# KiCad board open-TWIST_rev0.kicad_pcb (continued)
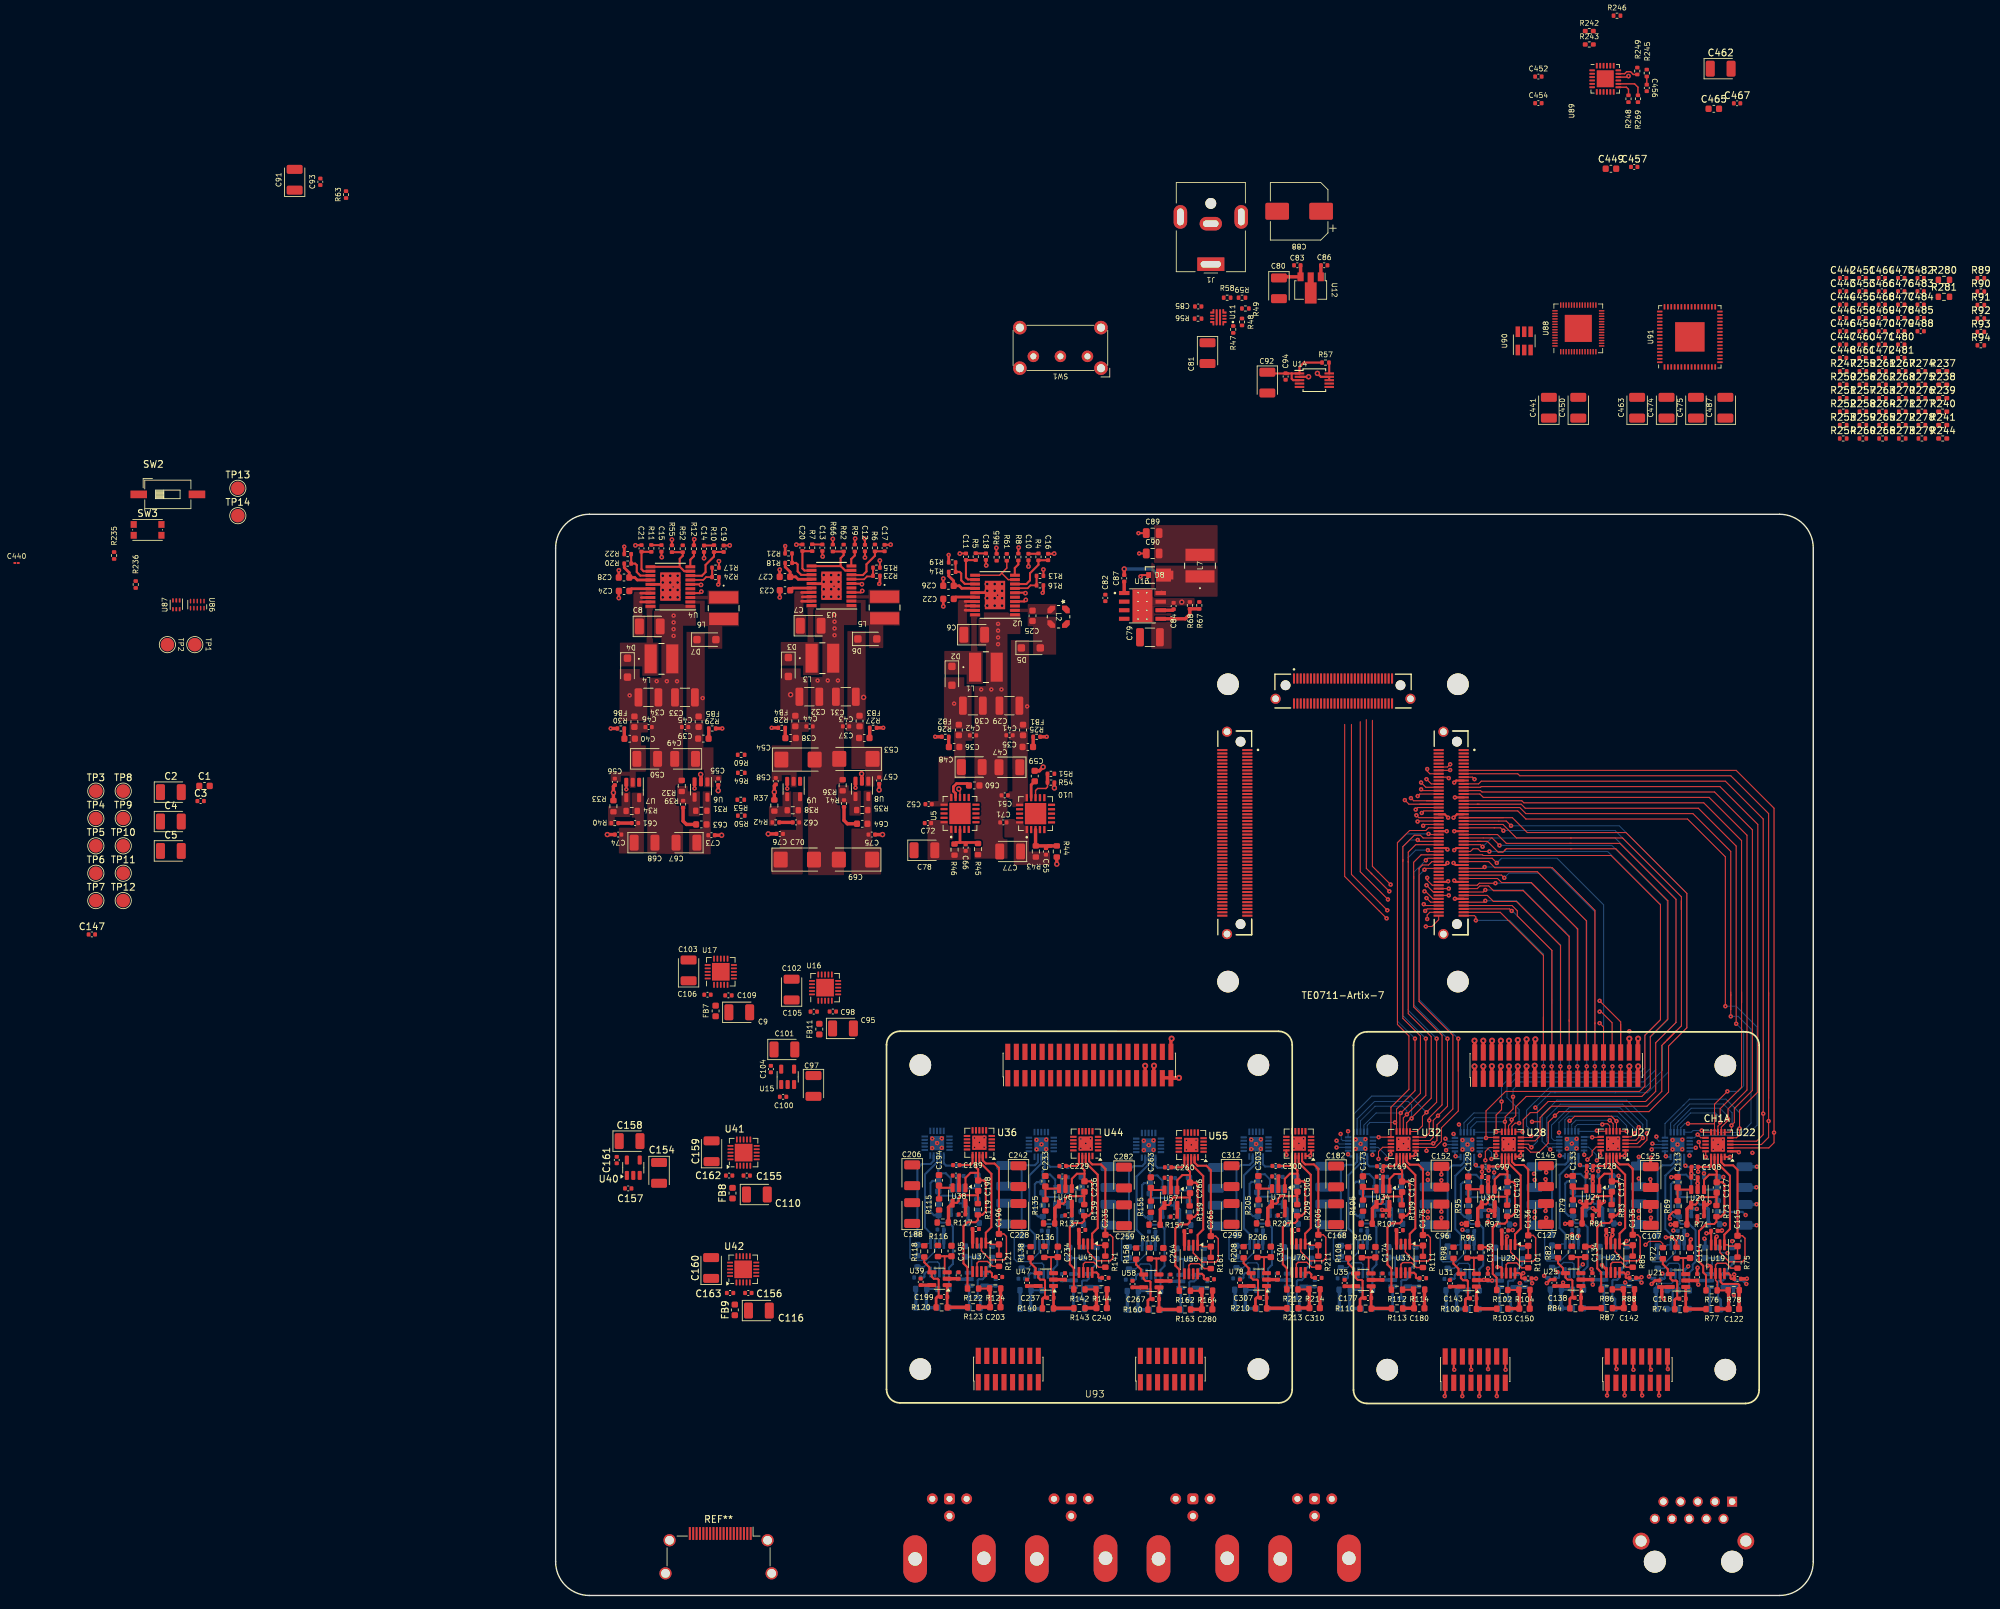
[diagram p0: board, top side]
## Nets (continued)
/DAC_STIM_A/stim_channel2/Vref_DAC_scaled: C236.2 R139.2 R142.2 U44.17 U46.1
/DAC_STIM_A/stim_channel3/Voff_DAC_scaled: C267.2 R160.2 R163.2 U58.1
/DAC_STIM_A/stim_channel3/Vref_DAC_scaled: C266.2 R159.2 R162.2 U55.17 U57.1
/DAC_STIM_A/stim_channel4/Voff_DAC_scaled: C307.2 R210.2 R213.2 U78.1
/DAC_STIM_A/stim_channel4/Vref_DAC_scaled: C306.2 R209.2 R212.2 U75.17 U77.1
/DAC_STIM_A/stim_channel5/Voff_DAC_scaled: C177.2 R110.2 R113.2 U35.1
/DAC_STIM_A/stim_channel5/Vref_DAC_scaled: C176.2 R109.2 R112.2 U32.17 U34.1
/DAC_STIM_A/stim_channel6/Voff_DAC_scaled: C143.2 R100.2 R103.2 U31.1
/DAC_STIM_A/stim_channel6/Vref_DAC_scaled: C140.2 R99.2 R102.2 U28.17 U30.1
/DAC_STIM_A/stim_channel7/Voff_DAC_scaled: C138.2 R84.2 R87.2 U25.1
/DAC_STIM_A/stim_channel7/Vref_DAC_scaled: C137.2 R83.2 R86.2 U24.1 U27.17
/DAC_STIM_A/stim_channel8/Voff_DAC_scaled: C118.2 R74.2 R77.2 U21.1
/DAC_STIM_A/stim_channel8/Vref_DAC_scaled: C117.2 R73.2 R76.2 U20.1 U22.17
/DAC_STIM_A/Voff_DAC1: R116.1 U17.20
/DAC_STIM_A/Voff_DAC2: R136.1 U17.19
/DAC_STIM_A/Voff_DAC3: R156.1 U17.18
/DAC_STIM_A/Voff_DAC4: R206.1 U17.17
/DAC_STIM_A/Voff_DAC5: R106.1 U17.9
/DAC_STIM_A/Voff_DAC6: R96.1 U17.8
/DAC_STIM_A/Voff_DAC7: R80.1 U17.7
/DAC_STIM_A/Voff_DAC8: R70.1 U17.6
/DAC_STIM_A/Vref_DAC1: R115.1 U16.20
/DAC_STIM_A/Vref_DAC2: R135.1 U16.19
/DAC_STIM_A/Vref_DAC3: R155.1 U16.18
/DAC_STIM_A/Vref_DAC4: R205.1 U16.17
/DAC_STIM_A/Vref_DAC5: R105.1 U16.9
/DAC_STIM_A/Vref_DAC6: R95.1 U16.8
/DAC_STIM_A/Vref_DAC7: R79.1 U16.7
/DAC_STIM_A/Vref_DAC8: R69.1 U16.6
/DAC_STIM_B/CS: U26.190 U43.14 U51.14 U59.14 U63.14 U67.14 U71.14 U79.14 U83.14
/DAC_STIM_B/oDAC_SDO: U42.13
/DAC_STIM_B/oDAC_SDOI: U41.13 U42.5
/DAC_STIM_B/OUT8: C276.2 R184.2 U64.7
/DAC_STIM_B/stim_channel1/Voff_DAC_scaled: C187.2 R130.2 R133.2 U50.1
/DAC_STIM_B/stim_channel1/Vref_DAC_scaled: C186.2 R129.2 R132.2 U43.17 U49.1
/DAC_STIM_B/stim_channel2/Voff_DAC_scaled: C217.2 R150.2 R153.2 U54.1
/DAC_STIM_B/stim_channel2/Vref_DAC_scaled: C216.2 R149.2 R152.2 U51.17 U53.1
/DAC_STIM_B/stim_channel3/Voff_DAC_scaled: C337.2 R220.2 R223.2 U82.1
/DAC_STIM_B/stim_channel3/Vref_DAC_scaled: C336.2 R219.2 R222.2 U79.17 U81.1
/DAC_STIM_B/stim_channel4/Voff_DAC_scaled: C322.2 R200.2 R203.2 U74.1
/DAC_STIM_B/stim_channel4/Vref_DAC_scaled: C321.2 R199.2 R202.2 U71.17 U73.1
/DAC_STIM_B/stim_channel5/Voff_DAC_scaled: C352.2 R230.2 R233.2 U92.1
/DAC_STIM_B/stim_channel5/Vref_DAC_scaled: C351.2 R229.2 R232.2 U83.17 U85.1
/DAC_STIM_B/stim_channel6/Voff_DAC_scaled: C247.2 R170.2 R173.2 U62.1
/DAC_STIM_B/stim_channel6/Vref_DAC_scaled: C246.2 R169.2 R172.2 U59.17 U61.1
/DAC_STIM_B/stim_channel7/Voff_DAC_scaled: C292.2 R190.2 R193.2 U70.1
/DAC_STIM_B/stim_channel7/Vref_DAC_scaled: C291.2 R189.2 R192.2 U67.17 U69.1
/DAC_STIM_B/stim_channel8/Voff_DAC_scaled: C273.2 R180.2 R183.2 U66.1
/DAC_STIM_B/stim_channel8/Vref_DAC_scaled: C271.2 R179.2 R182.2 U63.17 U65.1
/DAC_STIM_B/Voff_DAC1: R126.1 U42.20
/DAC_STIM_B/Voff_DAC2: R146.1 U42.19
/DAC_STIM_B/Voff_DAC3: R216.1 U42.18
/DAC_STIM_B/Voff_DAC4: R196.1 U42.17
/DAC_STIM_B/Voff_DAC5: R226.1 U42.9
/DAC_STIM_B/Voff_DAC6: R166.1 U42.8
/DAC_STIM_B/Voff_DAC7: R186.1 U42.7
/DAC_STIM_B/Voff_DAC8: R176.1 U42.6
/DAC_STIM_B/Vref_DAC1: R125.1 U41.20
/DAC_STIM_B/Vref_DAC2: R145.1 U41.19
/DAC_STIM_B/Vref_DAC3: R215.1 U41.18
/DAC_STIM_B/Vref_DAC4: R195.1 U41.17
/DAC_STIM_B/Vref_DAC5: R225.1 U41.9
/DAC_STIM_B/Vref_DAC6: R165.1 U41.8
/DAC_STIM_B/Vref_DAC7: R185.1 U41.7
/DAC_STIM_B/Vref_DAC8: R175.1 U41.6
/DB1_A0: U36.11 U43.11
/DB1_A1: U36.10 U43.10
/DB1_A2: U36.9 U43.9
/DB1_A3: U36.8 U43.8
/DB1_A4: U36.7 U43.7
/DB1_A5: U36.6 U43.6
/DB1_A6: U36.5 U43.5
/DB1_A7: U36.4 U43.4
/DB1_A8: U36.3 U43.3
/DB1_A9: U36.2 U43.2
/DB2_A0: U44.11 U51.11
/DB2_A1: U44.10 U51.10
/DB2_A2: U44.9 U51.9
/DB2_A3: U44.8 U51.8
/DB2_A4: U44.7 U51.7
/DB2_A5: U44.6 U51.6
/DB2_A6: U44.5 U51.5
/DB2_A7: U44.4 U51.4
/DB2_A8: U44.3 U51.3
/DB2_A9: U44.2 U51.2
/DB3_A0: U55.11 U79.11
/DB3_A1: U55.10 U79.10
/DB3_A2: U55.9 U79.9
/DB3_A3: U55.8 U79.8
/DB3_A4: U55.7 U79.7
/DB3_A5: U55.6 U79.6
/DB3_A6: U55.5 U79.5
/DB3_A7: U55.4 U79.4
/DB3_A8: U55.3 U79.3
/DB3_A9: U55.2 U79.2
/DB4_A0: U71.11 U75.11
/DB4_A1: U71.10 U75.10
/DB4_A2: U71.9 U75.9
/DB4_A3: U71.8 U75.8
/DB4_A4: U71.7 U75.7
/DB4_A5: U71.6 U75.6
/DB4_A6: U71.5 U75.5
/DB4_A7: U71.4 U75.4
/DB4_A8: U71.3 U75.3
/DB4_A9: U71.2 U75.2
/DB5_A0: U26.148 U32.11 U83.11
/DB5_A1: U26.152 U32.10 U83.10
/DB5_A2: U26.154 U32.9 U83.9
/DB5_A3: U26.156 U32.8 U83.8
/DB5_A4: U26.158 U32.7 U83.7
/DB5_A5: U26.162 U32.6 U83.6
/DB5_A6: U26.164 U32.5 U83.5
/DB5_A7: U26.166 U32.4 U83.4
/DB5_A8: U26.168 U32.3 U83.3
/DB5_A9: U26.172 U32.2 U83.2
/DB6_A0: U26.163 U28.11 U59.11
/DB6_A1: U26.161 U28.10 U59.10
/DB6_A2: U26.157 U28.9 U59.9
/DB6_A3: U26.155 U28.8 U59.8
/DB6_A4: U26.153 U28.7 U59.7
/DB6_A5: U26.151 U28.6 U59.6
/DB6_A6: U26.147 U28.5 U59.5
/DB6_A7: U26.145 U28.4 U59.4
/DB6_A8: U26.143 U28.3 U59.3
/DB6_A9: U26.141 U28.2 U59.2
/DB7_A0: U26.134 U27.11 U67.11
/DB7_A1: U26.132 U27.10 U67.10
/DB7_A2: U26.128 U27.9 U67.9
/DB7_A3: U26.126 U27.8 U67.8
/DB7_A4: U26.124 U27.7 U67.7
/DB7_A5: U26.122 U27.6 U67.6
/DB7_A6: U26.118 U27.5 U67.5
/DB7_A7: U26.116 U27.4 U67.4
/DB7_A8: U26.114 U27.3 U67.3
/DB7_A9: U26.112 U27.2 U67.2
/DB8_A0: U22.11 U26.137 U63.11
/DB8_A1: U22.10 U26.135 U63.10
/DB8_A2: U22.9 U26.133 U63.9
/DB8_A3: U22.8 U26.131 U63.8
/DB8_A4: U22.7 U26.127 U63.7
/DB8_A5: U22.6 U26.125 U63.6
/DB8_A6: U22.5 U26.123 U63.5
/DB8_A7: U22.4 U26.121 U63.4
/DB8_A8: U22.3 U26.115 U63.3
/DB8_A9: U22.2 U26.113 U63.2
/DB_IO_A0: U18.17 U26.199
/DB_IO_A1: U18.18 U26.197
/DB_IO_A2: U18.19 U26.195
/DB_IO_A3: U18.20 U26.193
/DB_IO_A4: U18.21 U26.191
/DB_IO_A5: U18.22 U26.187
/DB_IO_A6: U18.23 U26.185
/DB_IO_A7: U18.24 U26.183
/DB_IO_A8: U18.25 U26.181
/DB_IO_A9: U18.26 U26.177
/DB_IO_A10: U18.27 U26.175
/DB_IO_A11: U18.28 U26.173
/DB_IO_A12: U18.29 U26.171
/DB_IO_A13: U18.30 U26.167
/DB_IO_A14: U18.31 U26.165
/DB_IO_A15: U18.32 U26.146
/DB_IO_A16: U18.33 U26.138
/DB_IO_A17: U18.34 U26.144
/DB_IO_A18: U18.35 U26.136
/DB_IO_A19: U18.36 U26.142
/DB_IO_B0: U93.17
/DB_IO_B1: U93.18
/DB_IO_B2: U93.19
/DB_IO_B3: U93.20
/DB_IO_B4: U93.21
/DB_IO_B5: U93.22
/DB_IO_B6: U93.23
/DB_IO_B7: U93.24
/DB_IO_B8: U93.25
/DB_IO_B9: U93.26
/DB_IO_B10: U93.27
/DB_IO_B11: U93.28
/DB_IO_B12: U93.29
/DB_IO_B13: U93.30
/DB_IO_B14: U93.31
/DB_IO_B15: U93.32
/DB_IO_B16: U93.33
/DB_IO_B17: U93.34
/DB_IO_B18: U93.35
/DB_IO_B19: U93.36
/FPGA/FPGA_P_GOOD: R89.2 U26.29
/FPGA/JTAG_TCK: U26.200
/FPGA/JTAG_TDI: U26.196
/FPGA/JTAG_TDO: U26.198
/FPGA/JTAG_TMS: U26.194
/FPGA/JTAG_VREF: U26.192
/oDAC_RST_A: U16.14 U17.14
/oDAC_RST_B: U41.14 U42.14
/oDAC_SCLK: U16.4 U17.4 U41.4 U42.4
/oDAC_SDI: U16.5
/oDAC_SDIO: U17.13 U41.5
/oDAC_SYNC: U16.3 U17.3 U41.3 U42.3
/Power_supplies/DC_5VA_EN: R61.1
/Power_supplies/DC_VANH_EN: R62.1
/Power_supplies/DC_VANL_EN: R52.1
/Power_supplies/power_loss: R63.2 U11.3
/Power_supplies/VANH_EN: R60.1
/Power_supplies/VANL_EN: R50.1
/USB/FT601_BE0: R251.2 R252.2
/USB/FT601_CLK: R250.2
/USB/FT601_D0: R253.2
/USB/FT601_D1: R254.2
/USB/FT601_D2: R255.2
/USB/FT601_D3: R256.2
/USB/FT601_D4: R257.2
/USB/FT601_D5: R258.2
/USB/FT601_D6: R259.2
/USB/FT601_D7: R260.2
/USB/FT601_D8: R261.2
/USB/FT601_D9: R262.2
/USB/FT601_D10: R263.2
/USB/FT601_D11: R264.2
/USB/FT601_D12: R265.2
/USB/FT601_D13: R266.2
/USB/FT601_D14: R267.2
/USB/FT601_D15: R268.2
/USB/FT601_OE_N: R241.2 U88.9
/USB/FT601_RD_N: R240.2 U88.8
/USB/FT601_RST_N: C444.2 R238.2 U88.10
/USB/FT601_RXF_N: U88.5
/USB/FT601_TXE_N: U88.4
/USB/FT601_WKP_N: R237.2 U88.11
/USB/FT601_WR_N: R239.2 U88.7
/USB/FTDI_CTS: U91.19
/USB/FTDI_RTS: U91.18
/USB/FTDI_RX: U91.17
/USB/FTDI_RXLED: U91.29
/USB/FTDI_TCK/SCK: U91.38
/USB/FTDI_TDI/SDO: U91.39
/USB/FTDI_TDO/SDI: U91.40
/USB/FTDI_TMS/CS: U91.41
/USB/FTDI_TXD: U91.16
/USB/FTDI_TXLED: U91.30
/USB/USB1_DN: U88.20 U89.2
/USB/USB1_DP: U88.18 U89.3
/USB/USB2_DN: U89.4 U91.7
/USB/USB2_DP: U89.5 U91.8
/USB/USB_ESD_DN: U87.2
/USB/USB_ESD_DP: U87.1
/USB/USB_ESD_SSRX_DN: U86.2
/USB/USB_ESD_SSRX_DP: U86.1
/USB/USB_ESD_SSTX_DN: U86.5
/USB/USB_ESD_SSTX_DP: U86.4
/USB/USB_HUB_DN: U87.5 U89.19
/USB/USB_HUB_DP: U87.6 U89.20
/USB/USB_SSRX_DN: U86.9 U88.27
/USB/USB_SSRX_DP: U86.10 U88.28
/USB/USB_SSTX_DN: C445.2 U86.6
/USB/USB_SSTX_DP: C443.2 U86.7
EN_5VA: R51.1 R51.2 R54.2 U5.13 U10.13
EN_DC_5VA: R61.2 R65.2 U2.9 U2.11
EN_DC_VANH: R62.2 R66.2 U3.9 U3.11
EN_DC_VANL: R52.2 R55.2 U4.9 U4.11
EN_VANH: R60.2 R64.2 U8.3 U9.3
EN_VANL: R50.2 R53.2 U6.3 U7.3
FT-1V0: C450.1 C455.2 C458.2 C459.2 C460.2 C461.2 C464.2 U88.1 U88.23 U88.26 U88.31 U88.37 U88.50
FTDI-1V8: C478.2 C480.2 C482.2 C484.2 U91.12 U91.37 U91.49 U91.64
IN_0: U18.58 U93.58
IN_1: U18.59 U93.59
IN_2: U18.62 U93.62
IN_3: U18.63 U93.63
IN_4: U18.66 U93.66
IN_5: U18.67 U93.67
IN_6: U18.70 U93.70
IN_7: U18.71 U93.71
STIM_0: J3.2 U18.42 U93.42
STIM_1: J3.3 U18.43 U93.43
STIM_2: J3.4 U18.46 U93.46
STIM_3: J3.5 U18.47 U93.47
STIM_4: J3.6 U18.50 U93.50
STIM_5: J3.7 U18.51 U93.51
STIM_6: J3.8 U18.54 U93.54
STIM_7: J3.9 U18.55 U93.55
SYNC_DC_5VA: U2.4 U14.4
SYNC_DC_5VD: U13.4 U14.7
SYNC_DC_VANH: U3.4 U14.6
SYNC_DC_VANL: U4.4 U14.5
Net-(C4-Pad2): C4.2 C5.1
Net-(C10-Pad2): C10.2 R4.1
Net-(C11-Pad2): C11.2 R5.1
Net-(C12-Pad2): C12.2 R6.1
Net-(C13-Pad2): C13.2 R7.1
Net-(C14-Pad2): C14.2 R10.1
Net-(C15-Pad2): C15.2 R11.1
Net-(C35-Pad1): C35.1 R25.2
Net-(C36-Pad1): C36.1 C42.1 C48.1 C52.1 FB2.2 TP2.1 U5.15 U5.16
Net-(C36-Pad2): C36.2 R26.1
Net-(C37-Pad1): C37.1 R27.2
Net-(C38-Pad2): C38.2 R28.1
Net-(C39-Pad1): C39.1 R29.2
Net-(C40-Pad2): C40.2 R30.1
Net-(C61-Pad1): C61.1 R40.2
Net-(C62-Pad1): C62.1 R42.2
Net-(C63-Pad2): C63.2 R39.2
Net-(C64-Pad2): C64.2 R41.2
Net-(C463-Pad1): C463.1 C466.2 C468.2 C469.2 C470.2 U88.38 U88.44 U88.52
Net-(D2-A): C30.1 D2.2 FB2.1 R19.1
Net-(D2-K): D2.1 L1.1 U2.20
Net-(D3-A): C32.1 D3.2 FB4.1 R21.2
Net-(D3-K): D3.1 L3.1 U3.20
Net-(D4-A): C34.1 D4.2 FB6.1 R22.2
Net-(D4-K): D4.1 L4.1 U4.20
Net-(D5-A): C25.2 D5.2 L2.3
Net-(D5-K): C29.2 D5.1 FB1.1 R16.2
Net-(D6-A): D6.2 L5.2 U3.2
Net-(D6-K): C31.2 D6.1 FB3.1 R23.2
Net-(D7-A): D7.2 L6.2 U4.2
Net-(D7-K): C33.2 D7.1 FB5.1 R24.2
Net-(D9-A): R280.2
Net-(D10-A): R281.2
Net-(JP1-A): U88.12
Net-(JP1-B): R270.1
Net-(JP2-A): R271.1
Net-(JP3-A): U88.13
Net-(JP3-B): R272.1
Net-(JP4-A): R273.1
Net-(P1-CC): R235.2
Net-(P1-VCONN): R236.2
Net-(SW1-A): C81.1 R47.1 SW1.1 U11.5
Net-(SW1-B): J1.1 SW1.2
Net-(SW2-B): R93.2 SW2.2
Net-(U1-NR): C1.1
Net-(U2-COMP1): C16.2 R4.2 U2.8
Net-(U2-COMP2): C18.2 R5.2 U2.12
Net-(U2-FB1): R13.2 R16.1 U2.7
Net-(U2-FB2): R14.1 R19.2 U2.13
Net-(U2-SS): R8.2 U2.10
Net-(U2-SW1): C25.1 L2.2 U2.2
Net-(U2-VREF): C26.1 R14.2 U2.14
Net-(U2-VREG): C22.2 U2.16
Net-(U3-COMP1): C17.2 R6.2 U3.8
Net-(U3-COMP2): C20.2 R7.2 U3.12
Net-(U3-FB1): R15.1 R23.1 U3.7
Net-(U3-FB2): R18.1 R21.1 U3.13
Net-(U3-INBK): L5.1 U3.3
Net-(U3-SS): R9.2 U3.10
Net-(U3-VREF): C27.1 R18.2 U3.14
Net-(U3-VREG): C23.2 U3.16
Net-(U4-COMP1): C19.2 R10.2 U4.8
Net-(U4-COMP2): C21.2 R11.2 U4.12
Net-(U4-FB1): R17.1 R24.1 U4.7
Net-(U4-FB2): R20.1 R22.1 U4.13
Net-(U4-INBK): L6.1 U4.3
Net-(U4-SS): R12.2 U4.10
Net-(U4-VREF): C28.1 R20.2 U4.14
Net-(U4-VREG): C24.2 U4.16
Net-(U5-FB): C66.2 R45.1 R46.2 U5.3
Net-(U5-NR/SS): C60.2 U5.14
Net-(U6-SENSE/ADJ): R31.2 R32.1 R39.1 U6.4
Net-(U6-VIN): C39.2 C45.2 C49.1 C55.2 FB5.2 TP6.1 U6.1
Net-(U7-ADJ): R33.2 R34.1 R40.1 U7.4
Net-(U7-VIN): C40.1 C46.1 C50.1 C56.1 FB6.2 TP5.1 U7.2
Net-(U8-SENSE/ADJ): R35.2 R36.1 R41.1 U8.4
Net-(U8-VIN): C37.2 C43.2 C53.1 C57.2 FB3.2 TP4.1 U8.1
Net-(U9-ADJ): R37.2 R38.1 R42.1 U9.4
Net-(U9-VIN): C38.1 C44.1 C54.1 C58.1 FB4.2 TP3.1 U9.2
Net-(U10-IN_15): C35.2 C41.2 C47.1 C51.2 FB1.2 TP1.1 U10.15 U10.16
Net-(U10-NR): C59.1 U10.14
Net-(U10-SENSE/FB): C65.1 R43.1 R44.2 U10.3
Net-(U11-DVDT_1): C85.1 U11.7
Net-(U11-EN/UVLO_1): R47.2 R48.1 U11.1
Net-(U11-IMON): R56.1 U11.9
Net-(U11-OVLO): R48.2 R49.1 U11.2
Net-(U11-PGTH_1): R58.2 R59.1 U11.4
Net-(U13-BOOT): C87.1 U13.1
Net-(U13-FB): R67.1 R68.2 U13.5
Net-(U13-SS): C84.1 U13.6
Net-(U13-SW): C87.2 D8.2 L7.1 U13.8
Net-(U14-SET): R57.2 U14.10
Net-(U16-VLOGIC): C95.1 C98.2 FB11.2 U16.2
Net-(U17-VLOGIC): C9.1 C109.2 FB7.2 U17.2
Net-(U19A--IN1): C115.1 U19.2 U22.19
Net-(U19A-OUT1): C115.2 R75.2 U19.1 U22.18
Net-(U19B--IN2): C122.1 R75.1 R76.1 R77.1 R78.1 U19.6
Net-(U20-+IN): C113.2 R69.2 U20.3
Net-(U20--IN): C117.1 R71.2 R73.1 U20.4
Net-(U21-+IN): C114.2 R70.2 U21.3
Net-(U21--IN): C118.1 R72.2 R74.1 U21.4
Net-(U23A--IN1): C135.1 U23.2 U27.19
Net-(U23A-OUT1): C135.2 R85.2 U23.1 U27.18
Net-(U23B--IN2): C142.1 R85.1 R86.1 R87.1 R88.1 U23.6
Net-(U24-+IN): C133.2 R79.2 U24.3
Net-(U24--IN): C137.1 R81.2 R83.1 U24.4
Net-(U25-+IN): C134.2 R80.2 U25.3
Net-(U25--IN): C138.1 R82.2 R84.1 U25.4
Net-(U26A-JTAGSEL): R93.1 U26.90
Net-(U26A-SC_BOOTMODE): R91.1 U26.31
Net-(U26A-SC_EN1): R90.1 U26.27
Net-(U26A-SC_NOSEQ): R92.1 U26.8
Net-(U26B-GND-Pad205): U26.205 U26.206 U26.211 U26.212 U26.217 U26.218 U26.223 U26.224 U26.229 U26.230 U26.235 U26.236 U26.245 U26.246 U26.S3 U26.S4
Net-(U26C-nRST_SC0): C147.1 R94.2 SW3.2 U26.117
Net-(U28-IOUT1): C136.1 U28.19 U29.2
Net-(U28-RFB): C136.2 R101.2 U28.18 U29.1
Net-(U29B--IN2): C150.1 R101.1 R102.1 R103.1 R104.1 U29.6
Net-(U30-+IN): C129.2 R95.2 U30.3
Net-(U30--IN): C140.1 R97.2 R99.1 U30.4
Net-(U31-+IN): C130.2 R96.2 U31.3
Net-(U31--IN): C143.1 R98.2 R100.1 U31.4
Net-(U32-IOUT1): C175.1 U32.19 U33.2
Net-(U32-RFB): C175.2 R111.2 U32.18 U33.1
Net-(U33B--IN2): C180.1 R111.1 R112.1 R113.1 R114.1 U33.6
Net-(U34-+IN): C173.2 R105.2 U34.3
Net-(U34--IN): C176.1 R107.2 R109.1 U34.4
Net-(U35-+IN): C174.2 R106.2 U35.3
Net-(U35--IN): C177.1 R108.2 R110.1 U35.4
Net-(U36-IOUT1): C196.1 U36.19 U37.2
Net-(U36-RFB): C196.2 R121.2 U36.18 U37.1
Net-(U37B--IN2): C203.1 R121.1 R122.1 R123.1 R124.1 U37.6
Net-(U38-+IN): C194.2 R115.2 U38.3
Net-(U38--IN): C198.1 R117.2 R119.1 U38.4
Net-(U39-+IN): C195.2 R116.2 U39.3
Net-(U39--IN): C199.1 R118.2 R120.1 U39.4
Net-(U41-VLOGIC): C110.1 C155.2 FB8.2 U41.2
Net-(U42-VLOGIC): C116.1 C156.2 FB9.2 U42.2
Net-(U43-IOUT1): C185.1 U43.19 U48.2
Net-(U43-RFB): C185.2 R131.2 U43.18 U48.1
Net-(U44-IOUT1): C235.1 U44.19 U45.2
Net-(U44-RFB): C235.2 R141.2 U44.18 U45.1
Net-(U45B--IN2): C240.1 R141.1 R142.1 R143.1 R144.1 U45.6
Net-(U46-+IN): C233.2 R135.2 U46.3
Net-(U46--IN): C236.1 R137.2 R139.1 U46.4
Net-(U47-+IN): C234.2 R136.2 U47.3
Net-(U47--IN): C237.1 R138.2 R140.1 U47.4
Net-(U48B--IN2): C197.1 R131.1 R132.1 R133.1 R134.1 U48.6
Net-(U49-+IN): C170.2 R125.2 U49.3
Net-(U49--IN): C186.1 R127.2 R129.1 U49.4
Net-(U50-+IN): C184.2 R126.2 U50.3
Net-(U50--IN): C187.1 R128.2 R130.1 U50.4
Net-(U51-IOUT1): C215.1 U51.19 U52.2
Net-(U51-RFB): C215.2 R151.2 U51.18 U52.1
Net-(U52B--IN2): C220.1 R151.1 R152.1 R153.1 R154.1 U52.6
Net-(U53-+IN): C213.2 R145.2 U53.3
Net-(U53--IN): C216.1 R147.2 R149.1 U53.4
Net-(U54-+IN): C214.2 R146.2 U54.3
Net-(U54--IN): C217.1 R148.2 R150.1 U54.4
Net-(U55-IOUT1): C265.1 U55.19 U56.2
Net-(U55-RFB): C265.2 R161.2 U55.18 U56.1
Net-(U56B--IN2): C280.1 R161.1 R162.1 R163.1 R164.1 U56.6
Net-(U57-+IN): C263.2 R155.2 U57.3
Net-(U57--IN): C266.1 R157.2 R159.1 U57.4
Net-(U58-+IN): C264.2 R156.2 U58.3
Net-(U58--IN): C267.1 R158.2 R160.1 U58.4
Net-(U59-IOUT1): C245.1 U59.19 U60.2
Net-(U59-RFB): C245.2 R171.2 U59.18 U60.1
Net-(U60B--IN2): C250.1 R171.1 R172.1 R173.1 R174.1 U60.6
Net-(U61-+IN): C230.2 R165.2 U61.3
Net-(U61--IN): C246.1 R167.2 R169.1 U61.4
Net-(U62-+IN): C244.2 R166.2 U62.3
Net-(U62--IN): C247.1 R168.2 R170.1 U62.4
Net-(U63-IOUT1): C270.1 U63.19 U64.2
Net-(U63-RFB): C270.2 R181.2 U63.18 U64.1
Net-(U64B--IN2): C276.1 R181.1 R182.1 R183.1 R184.1 U64.6
Net-(U65-+IN): C258.2 R175.2 U65.3
Net-(U65--IN): C271.1 R177.2 R179.1 U65.4
Net-(U66-+IN): C268.2 R176.2 U66.3
Net-(U66--IN): C273.1 R178.2 R180.1 U66.4
Net-(U67-IOUT1): C290.1 U67.19 U68.2
Net-(U67-RFB): C290.2 R191.2 U67.18 U68.1
Net-(U68B--IN2): C295.1 R191.1 R192.1 R193.1 R194.1 U68.6
Net-(U69-+IN): C288.2 R185.2 U69.3
Net-(U69--IN): C291.1 R187.2 R189.1 U69.4
Net-(U70-+IN): C289.2 R186.2 U70.3
Net-(U70--IN): C292.1 R188.2 R190.1 U70.4
Net-(U71-IOUT1): C320.1 U71.19 U72.2
Net-(U71-RFB): C320.2 R201.2 U71.18 U72.1
Net-(U72B--IN2): C325.1 R201.1 R202.1 R203.1 R204.1 U72.6
Net-(U73-+IN): C318.2 R195.2 U73.3
Net-(U73--IN): C321.1 R197.2 R199.1 U73.4
Net-(U74-+IN): C319.2 R196.2 U74.3
Net-(U74--IN): C322.1 R198.2 R200.1 U74.4
Net-(U75-IOUT1): C305.1 U75.19 U76.2
Net-(U75-RFB): C305.2 R211.2 U75.18 U76.1
Net-(U76B--IN2): C310.1 R211.1 R212.1 R213.1 R214.1 U76.6
Net-(U77-+IN): C303.2 R205.2 U77.3
Net-(U77--IN): C306.1 R207.2 R209.1 U77.4
Net-(U78-+IN): C304.2 R206.2 U78.3
Net-(U78--IN): C307.1 R208.2 R210.1 U78.4
Net-(U79-IOUT1): C335.1 U79.19 U80.2
Net-(U79-RFB): C335.2 R221.2 U79.18 U80.1
Net-(U80B--IN2): C340.1 R221.1 R222.1 R223.1 R224.1 U80.6
Net-(U81-+IN): C333.2 R215.2 U81.3
Net-(U81--IN): C336.1 R217.2 R219.1 U81.4
Net-(U82-+IN): C334.2 R216.2 U82.3
Net-(U82--IN): C337.1 R218.2 R220.1 U82.4
Net-(U83-IOUT1): C350.1 U83.19 U84.2
Net-(U83-RFB): C350.2 R231.2 U83.18 U84.1
Net-(U84B--IN2): C355.1 R231.1 R232.1 R233.1 R234.1 U84.6
Net-(U85-+IN): C348.2 R225.2 U85.3
Net-(U85--IN): C351.1 R227.2 R229.1 U85.4
Net-(U88-BE_0): R251.1 U88.2
Net-(U88-BE_1): R252.1 U88.3
Net-(U88-CLK): R250.1 U88.43
Net-(U88-DATA_0): R253.1 U88.33
Net-(U88-DATA_1): R254.1 U88.34
Net-(U88-DATA_2): R255.1 U88.35
Net-(U88-DATA_3): R256.1 U88.36
Net-(U88-DATA_4): R257.1 U88.39
Net-(U88-DATA_5): R258.1 U88.40
Net-(U88-DATA_6): R259.1 U88.41
Net-(U88-DATA_7): R260.1 U88.42
Net-(U88-DATA_8): R261.1 U88.45
Net-(U88-DATA_9): R262.1 U88.46
Net-(U88-DATA_10): R263.1 U88.47
Net-(U88-DATA_11): R264.1 U88.48
Net-(U88-DATA_12): R265.1 U88.53
Net-(U88-DATA_13): R266.1 U88.54
Net-(U88-DATA_14): R267.1 U88.55
Net-(U88-DATA_15): R268.1 U88.56
Net-(U88-RREF): R247.2 U88.21
Net-(U88-SIWU_N): R244.2 U88.6
Net-(U88-TODN): C445.1 U88.24
Net-(U88-TODP): C443.1 U88.25
Net-(U88-VDDA): C441.1 C442.2 C446.2 C448.2 C453.2 U88.15 U88.19 U88.22 U88.30
Net-(U88-XI): C447.2 U88.16
Net-(U88-XO): C451.2 U88.17
Net-(U89-CRFILT): C449.2 U89.10
Net-(U89-PLLFILT): C454.2 U89.23
Net-(U89-RBIAS): R246.2 U89.24
Net-(U89-RESET_N): C456.1 R245.1 U89.15
Net-(U89-SMBCLK/CFG_SEL0): R269.1 U89.14
Net-(U89-SMBDATA/NON_REM1_): R248.1 U89.13
Net-(U89-SUSP_IND/LOCAL_PWR_): R249.1 U89.17
Net-(U89-VBUS_DET): R242.1 R243.2 U89.16
Net-(U89-XTALIN/CLKIN): C457.2 U89.22
Net-(U89-XTALOUT/CLKIN_EN): C452.2 U89.21
Net-(U90-CLK): R276.2 U90.4 U91.62
Net-(U90-CS): R275.2 U90.5 U91.63
Net-(U90-DI): R277.2 R278.2 U90.3 U91.61
Net-(U90-DO): R277.1 U90.1
Net-(U91-OSCI): C472.2 U91.2
Net-(U91-OSCO): C473.2 U91.3
Net-(U91-REF): R274.1 U91.6
Net-(U91-VPHY): C475.1 C477.2 U91.4
Net-(U91-VPLL): C474.1 C476.2 U91.9
Net-(U91-~{RESET}): R279.1 U91.14
Net-(U92-+IN): C349.2 R226.2 U92.3
Net-(U92--IN): C352.1 R228.2 R230.1 U92.4

Pads without a net: J1 MP; REF** 1 2 3 4 5 6 7 8 9 10 11 12 13 14 15 16 17 18 19 SH; REF**#2 1 2 3 4; REF**#3 1 2 3 4; REF**#4 1 2 3 4; REF**#5 1 2 3 4; SW1 3; U2 3 5; U3 5; U4 5; U5 2 4 5 6 8 9 10 11 12 17 18 19; U10 2 4 5 6 8 9 10 11 12 17 18 19; U11 10; U16 10 16; U17 10 16; U22 12 13; U26 3 5 9 11 13 15 17 18 20 21 22 23 24 26 28 32 34 35 36 37 38 39 40 41 42 44 45 46 47 48 49 50 51 52 55 56 57 58 59 60 61 62 65 66 67 68 69 70 71 72 75 76 77 78 79 80 81 82 84 85 86 87 88 91 92 93 94 95 96 97 98 99 100 106 120 130 174 176 178 182 184 186 201 202 203 204 207 208 209 210 213 214 215 216 219 220 221 222 225 226 227 228 231 232 233 234 237 238 239 240 241 242 243 244 247 248 249 250 251 252 253 254 255 256 257 258 259 260; U27 12 13; U28 12 13; U32 12 13; U36 12 13; U41 10 16; U42 10 16; U43 12 13; U44 12 13; U51 12 13; U55 12 13; U59 12 13; U63 12 13; U67 12 13; U71 12 13; U75 12 13; U79 12 13; U83 12 13; U87 4; U88 14; U89 6 7 8 11 12; U91 21 22 23 24 26 27 28 32 33 34 36 43 44 45 46 48 52 53 54 55 57 58 59 60

## Via types
v1: diameter 0.65, hole 0.25, TOP SIG to BOT SIG, 440 vias
v2: diameter 0.9, hole 0.4, TOP SIG to BOT SIG, 24 vias
v3: diameter 0.8, hole 0.4, TOP SIG to BOT SIG, 56 vias
v4: diameter 0.7, hole 0.3, TOP SIG to BOT SIG, 34 vias

## Routing (per net, layer and track width the routed paths; a pad name or vN(x,y) marks a point on that pad's centre or on a via; arc(x,y) is an arc through that point)
+3V3: length 2
  TOP SIG w0.5: v2(158.8,82.4) 158.79,82.39 U18.38
+5V: length 13.5
  TOP SIG w0.3: 108.36,180.84 105.45,180.84 C92.1 ; 108.36,180.84 108.86,180.84 ; 108.36,180.84 107.99,180.84 C94.1 ; 108.86,180.84 108.86,180.05 109.07,179.84 U14.3 ; 108.86,180.84 U14.1 110.02,181.8 110.66,182.45 R57.1
  TOP SIG w0.5: U12.1 113.18,196.82 C86.1
+5VA: length 169.2
  TOP SIG w0.3: C96.1 v1(131,55.9) ; 158.26,47.53 158.43,47.53 v1(158.6,47.7) ; 158.26,47.53 158.26,47.1 158.36,47 C144.2 ; 158.26,47.53 157.99,47.8 U23.8 ; C311.2 111.86,47 111.76,47.1 111.76,47.53 111.49,47.8 U76.8 ; v1(138,62.9) 138.01,62.91 C99.2 139.61,63.47 139.94,63.8 139.94,64.99 ; C205.2 64.63,47.13 64.53,47.23 64.53,47.66 64.26,47.93 U37.8 ; 142.81,47.44 142.53,47.71 U29.8 ; 142.81,47.44 142.84,47.44 v1(143.1,47.7) ; 142.81,47.44 142.81,47.01 142.9,46.91 C151.2 ; C181.2 127.33,46.96 127.24,47.05 127.24,47.48 126.96,47.76 U33.8 ; 77.39,65.08 77.39,63.89 77.07,63.56 C229.2 ; U19.8 173.49,47.66 173.76,47.39 173.76,46.96 173.86,46.86 C124.2 174.32,47.48 v1(174.3,47.5) ; U45.8 79.99,47.8 80.27,47.53 80.27,47.1 80.36,47 C241.2 ; v1(122.3,62.8) 122.44,62.94 C169.2 124.04,63.52 124.37,63.84 124.37,65.04 ; v1(153.36,62.92) 153.47,63.03 C128.2 155.07,63.56 155.1,63.59 155.1,63.7 155.21,63.7 155.4,63.89 155.4,65.08 ; C281.2 95.96,46.8 95.86,46.9 95.86,47.33 95.59,47.6 U56.8 ; 61.67,65.21 61.67,64.02 61.34,63.69 C189.2 ; 170.9,64.94 170.9,63.75 170.7,63.55 v1(170.69,63.55) 170.69,63.54 170.57,63.42 C108.2 v1(168.97,62.71) ; 93,64.88 93,63.69 92.67,63.36 C260.2 ; 108.89,65.08 108.89,63.89 108.57,63.56 C300.2
  TOP SIG w0.4: v1(146.5,55.9) 146.46,55.86 C127.1 ; U25.5 148.7,45.8 ; v1(155.05,58.29) 154.69,57.93 U24.5 ; C107.1 161.96,55.86 v1(162,55.9) ; v1(149,46.3) 149,46.16
  TOP SIG w0.5: U25.5 147.72,45.8 147.72,45.79 ; U38.5 60.62,58.06 60.62,56.43 ; U57.5 91.95,57.73 91.95,56.1 ; U31.5 132.26,45.71 C149.2 ; v1(170.68,58.18) 170.29,57.79 U20.5 169.85,57.79 169.85,56.16 ; U39.5 53.99,45.93 C202.2 ; U34.5 123.32,57.89 123.32,57 ; 123.32,57 122.29,57 v1(122.24,57.05) ; 123.32,57 123.32,56.26 ; 101.22,45.79 101.22,45.8 U78.5 ; C121.2 163.22,45.66 U21.5 ; 107.85,56.3 107.85,57.93 U77.5 ; C272.2 85.32,45.6 U58.5 ; U24.5 154.35,57.93 154.35,57 ; U46.5 76.35,57.93 76.35,56.3 ; 69.72,45.79 69.72,45.8 U47.5 ; 163.6,45.6 163.6,44.2 v1(163.9,43.9) ; U30.5 138.89,57.84 138.89,56.9 ; U18.3 v2(137.2,78.3) ; 138.89,56.22 138.89,56.9 ; 138.89,56.9 138.4,56.9 138.29,57.01 v1(138,57.01) ; 154.35,56.3 154.35,57 ; 154.35,57 153.7,57 v1(153.4,57.3) ; C179.2 116.69,45.75 U35.5
  BOT SIG w0.3: 166.91,64.94 166.91,63.75 167.06,63.6 v1(167.1,63.6) 167.1,63.56 167.23,63.42 C255.2 ; v1(153.36,62.92) 153.2,63.08 C285.2 151.6,63.54 151.5,63.64 v1(151.5,63.7) 151.44,63.7 151.28,63.86 151.28,65.06 ; 148.41,47.5 148.68,47.78 U68.8 ; 148.41,47.5 148.41,47.07 148.31,46.98 C296.2 ; 148.41,47.5 148.41,47.63 v1(148.18,47.86) ; 128.98,54.86 128.98,55.88 v1(129,55.9) ; 104.6,65 104.6,63.81 104.92,63.48 C315.2 ; C210.2 73.16,63.44 72.84,63.76 72.84,64.96 ; C251.2 132.88,46.85 132.98,46.94 132.98,47.37 133.25,47.65 U60.8 ; 120.05,65.02 120.05,63.83 120.37,63.5 C345.2 121.97,63.14 v1(122.3,62.8) ; U64.8 164.31,47.66 164.04,47.39 ; v1(138,62.9) 138,63.18 C225.2 136.17,63.41 136.1,63.48 v1(136.1,63.7) 135.88,63.7 135.85,63.73 135.85,64.93 ; 164.04,47.39 164.04,46.96 163.94,46.86 C277.2 ; 164.04,47.39 163.79,47.63 v1(163.68,47.63) ; C165.2 57.74,63.62 57.42,63.94 57.42,65.14 ; C330.2 89.03,63.3 88.71,63.63 88.71,64.82 ; C326.2 101.64,46.92 101.73,47.02 101.73,47.45 102,47.72 U72.8 ; U52.8 70.24,47.68 69.97,47.4 69.97,46.97 69.87,46.88 C221.2 ; C341.2 85.74,46.74 85.84,46.84 85.84,47.27 86.11,47.54 U80.8 ; C356.2 117.08,46.94 117.18,47.03 117.18,47.46 117.45,47.74 U84.8 ; U48.8 54.82,47.86 54.55,47.58 54.55,47.15 54.45,47.06 C201.2
  BOT SIG w0.4: v1(160.2,55.9) 160.21,55.89 C284.1 ; v1(144.8,55.9) 144.78,55.88 C224.1
  BOT SIG w0.5: C219.2 80.51,45.67 U54.5 ; C249.2 143.52,45.64 142.8,45.64 ; v1(122.24,57.05) 121.14,57.05 121.09,57.1 ; 136.89,56.15 136.89,57 ; 136.89,57 136.9,57.01 v1(138,57.01) ; 136.89,57 136.89,57.77 U61.5 ; C339.2 96.38,45.54 U82.5 ; 167.95,57.05 167.95,56.16 ; 167.95,57.05 168.1,57.2 v1(168.79,57.2) ; 167.95,57.05 167.95,57.79 167.96,57.79 ; 142.8,45.64 142.8,46.03 v1(142.6,46.22) ; 142.8,45.64 U62.5 ; v1(177.62,54.79) 177.62,54.79 C254.1 ; 121.09,56.24 121.09,57.1 ; 121.09,57.1 121.09,57.86 U85.5 ; U70.5 158.3,45.78 ; 158.3,45.78 158.95,45.78 C294.2 ; 158.3,45.78 158.3,46.19 v1(158.18,46.31) ; C191.2 65.09,45.85 63.44,45.85 ; v1(153.4,57.3) 152.72,57.3 152.32,56.9 ; 174.2,45.66 U66.5 ; 174.2,45.66 174.58,45.66 C275.2 ; 174.2,45.66 174.2,44.54 v1(174.25,44.49) ; U49.5 58.46,57.98 58.46,56.36 ; 89.75,56.04 89.75,57.67 89.75,57.67 ; 73.88,56.18 73.88,57.8 U53.5 ; 152.32,56.28 152.32,56.9 ; 152.32,56.9 152.32,57.91 U69.5 ; U73.5 105.64,57.85 105.64,56.22 ; U92.5 127.72,45.74 C354.2 ; U74.5 112.27,45.72 C324.2
  vias: v1(155.2,63.6)
